# KiCad board motordecoder2-K3057.kicad_pcb (continued)
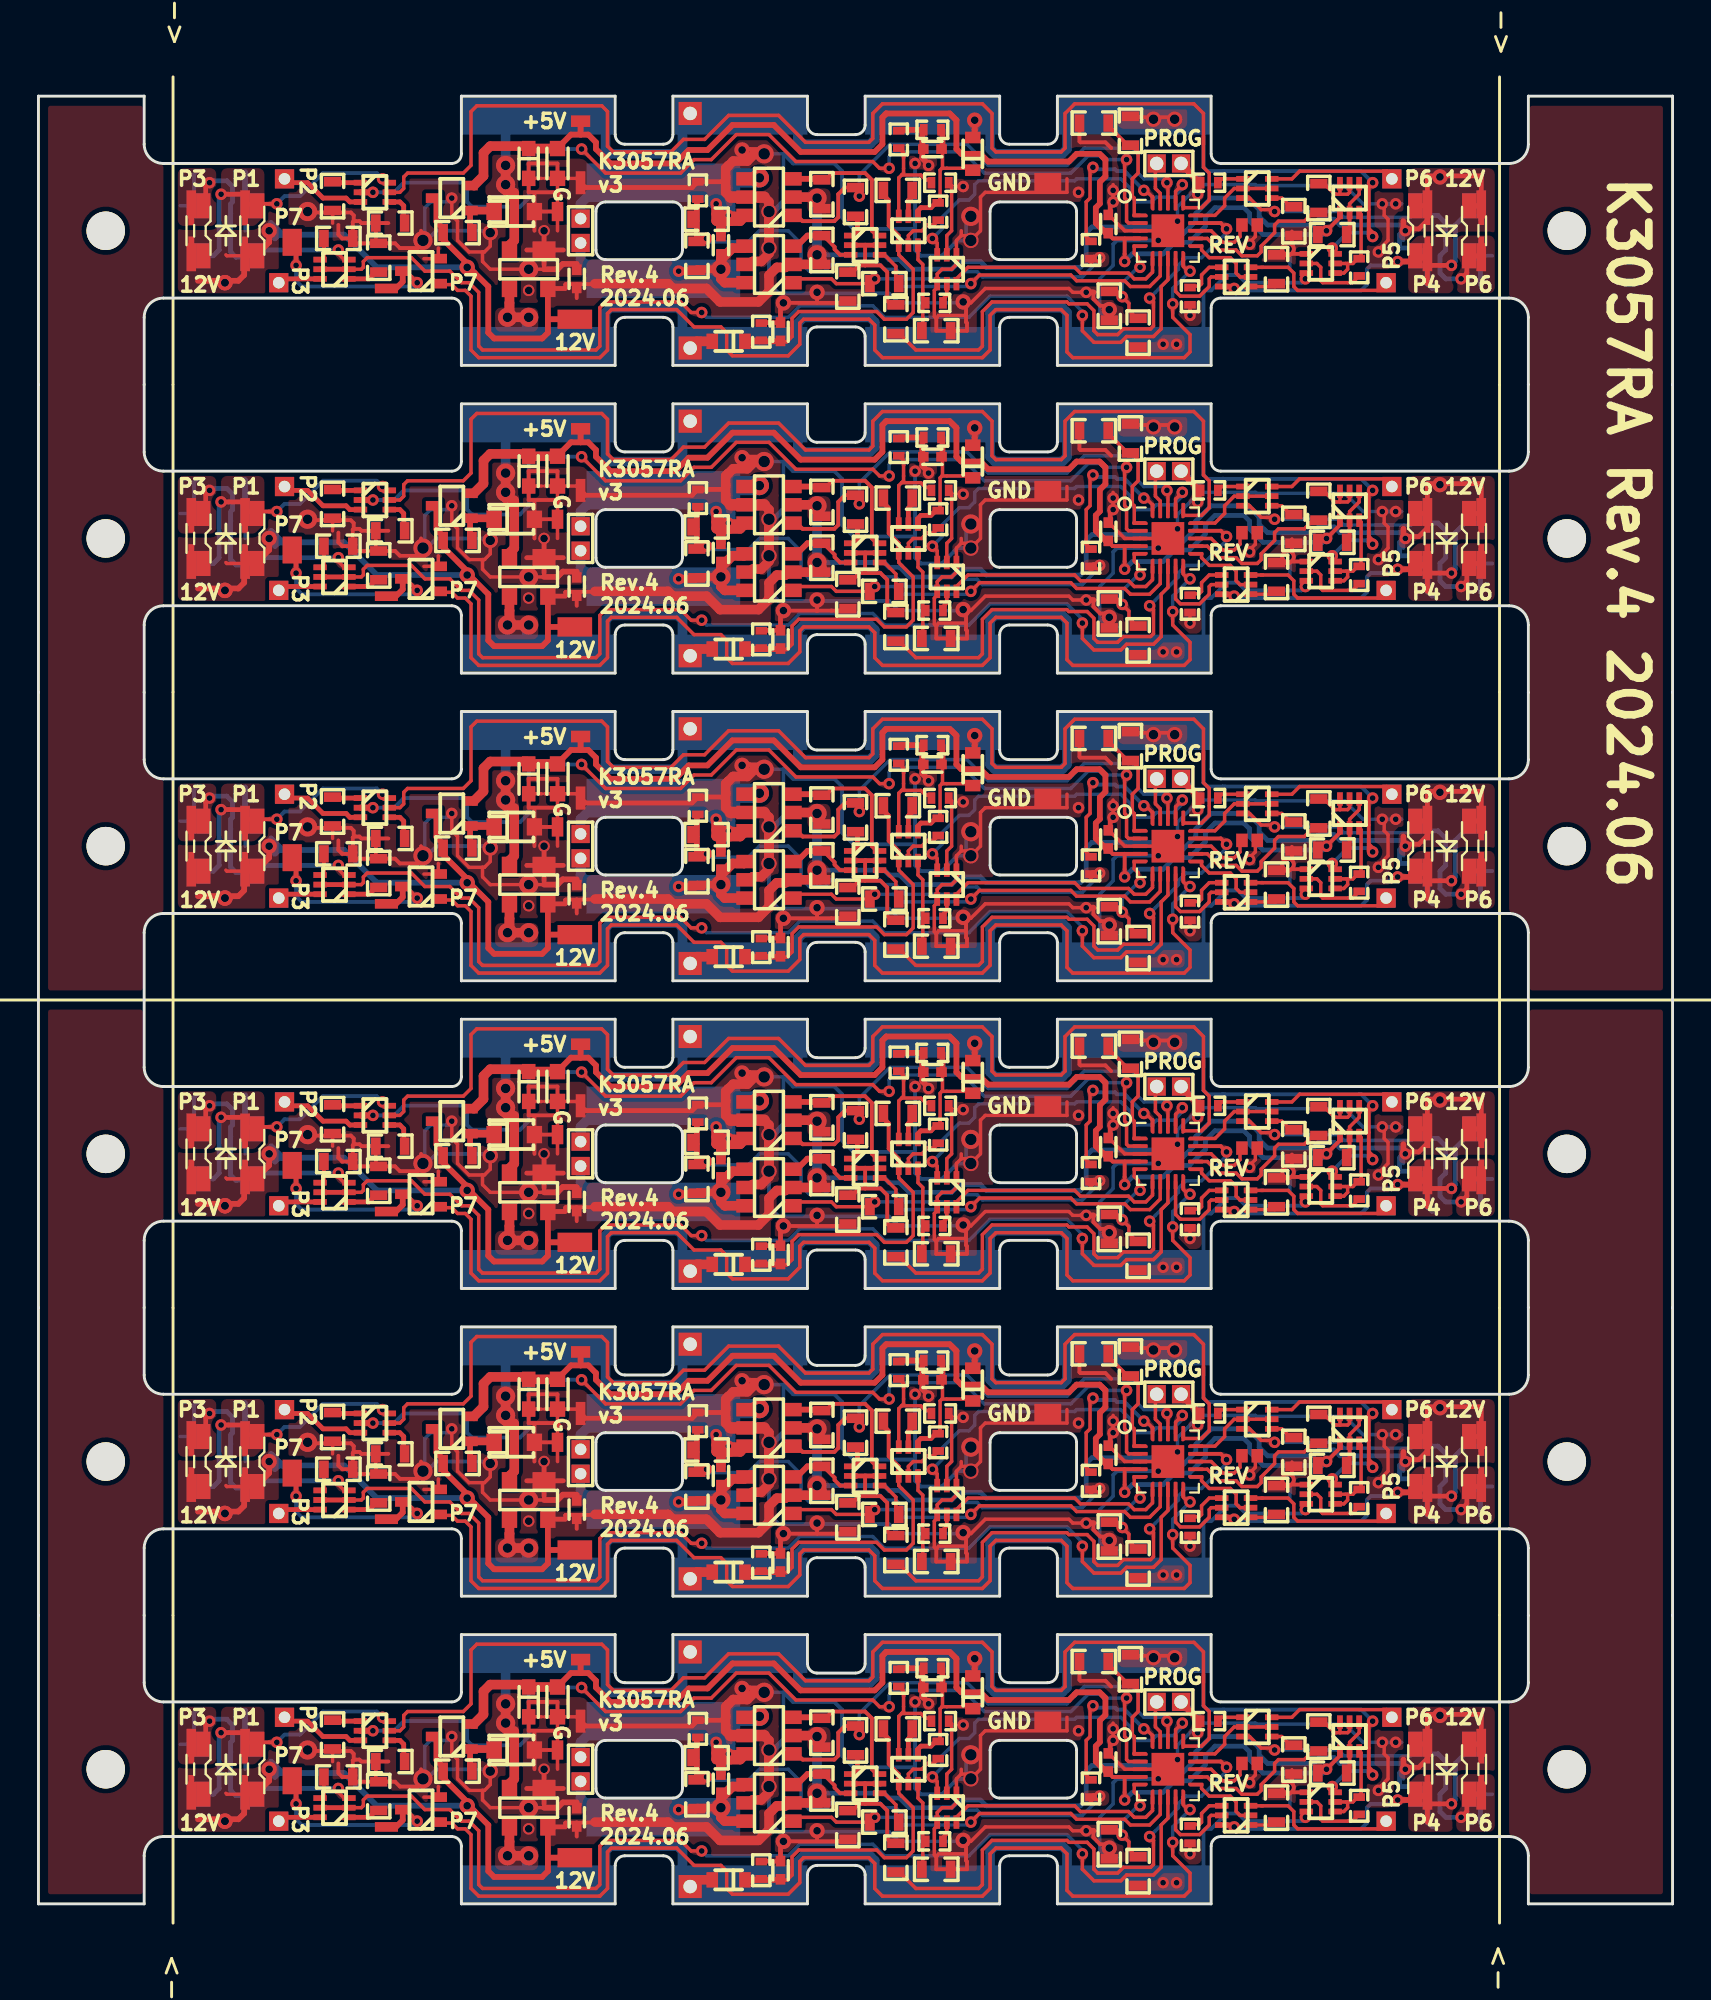
[diagram p0: board, top side]
## Routing (per net, layer and track width the routed paths; a pad name or vN(x,y) marks a point on that pad's centre or on a via; arc(x,y) is an arc through that point) (continued)
  Bottom w0.2: v1(28.25,91.25) 25.85,91.25 25.5,90.9 25.5,88.7 25.05,88.25 22.55,88.25 22.3,88.5 22.3,89.3 22.1,89.5 19,89.5 18.5,89 v1(17.4,89) ; v1(17.4,57) 18.5,57 19,57.5 22.1,57.5 22.3,57.3 22.3,56.5 22.55,56.25 25.05,56.25 25.5,56.7 25.5,58.9 25.85,59.25 v1(28.25,59.25) ; v1(17.4,9) 18.5,9 19,9.5 22.1,9.5 22.3,9.3 22.3,8.5 22.55,8.25 25.05,8.25 25.5,8.7 25.5,10.9 25.85,11.25 v1(28.25,11.25) ; v1(28.25,75.25) 25.85,75.25 25.5,74.9 25.5,72.7 25.05,72.25 22.55,72.25 22.3,72.5 22.3,73.3 22.1,73.5 19,73.5 18.5,73 v1(17.4,73) ; v1(17.4,25) 18.5,25 19,25.5 22.1,25.5 22.3,25.3 22.3,24.5 22.55,24.25 25.05,24.25 25.5,24.7 25.5,26.9 25.85,27.25 v1(28.25,27.25) ; v1(17.4,41) 18.5,41 19,41.5 22.1,41.5 22.3,41.3 22.3,40.5 22.55,40.25 25.05,40.25 25.5,40.7 25.5,42.9 25.85,43.25 v1(28.25,43.25)
Func2: length 374.2
  Top w0.18: U7.16 59.55,8.25 59.6,8.2 60.5,8.2 60.9,8.6 60.9,10 60.6,10.3 60.6,11.9 ; 60.6,91.9 60.6,90.3 60.9,90 60.9,88.6 60.5,88.2 59.6,88.2 59.55,88.25 U2.16 ; Q72.5 18.8,9 19,9.2 19,9.8 19.2,10 22.1,10 22.5,10.4 22.5,13.2 22.8,13.5 29.3,13.5 29.6,13.2 29.6,11.4 29.9,11.1 32.9,11.1 33.55,11.75 34.65,11.75 35.9,13 38.5,13 39.9,11.6 43.2,11.6 43.4,11.8 43.4,13.1 43.9,13.6 49.1,13.6 49.6,13.1 49.6,11.3 49.8,11.1 53.2,11.1 53.4,11.3 53.4,13.1 53.9,13.6 60.1,13.6 60.6,13.1 60.6,11.5 ; 60.6,59.9 60.6,58.3 60.9,58 60.9,56.6 60.5,56.2 59.6,56.2 59.55,56.25 U4.16 ; U3.16 59.55,72.25 59.6,72.2 60.5,72.2 60.9,72.6 60.9,74 60.6,74.3 60.6,75.9 ; U6.16 59.55,24.25 59.6,24.2 60.5,24.2 60.9,24.6 60.9,26 60.6,26.3 60.6,27.9 ; Q46.5 18.8,41 19,41.2 19,41.8 19.2,42 22.1,42 22.5,42.4 22.5,45.2 22.8,45.5 29.3,45.5 29.6,45.2 29.6,43.4 29.9,43.1 32.9,43.1 33.55,43.75 34.65,43.75 35.9,45 38.5,45 39.9,43.6 43.2,43.6 43.4,43.8 43.4,45.1 43.9,45.6 49.1,45.6 49.6,45.1 49.6,43.3 49.8,43.1 53.2,43.1 53.4,43.3 53.4,45.1 53.9,45.6 60.1,45.6 60.6,45.1 60.6,43.5 ; Q18.5 18.8,73 19,73.2 19,73.8 19.2,74 22.1,74 22.5,74.4 22.5,77.2 22.8,77.5 29.3,77.5 29.6,77.2 29.6,75.4 29.9,75.1 32.9,75.1 33.55,75.75 34.65,75.75 35.9,77 38.5,77 39.9,75.6 43.2,75.6 43.4,75.8 43.4,77.1 43.9,77.6 49.1,77.6 49.6,77.1 49.6,75.3 49.8,75.1 53.2,75.1 53.4,75.3 53.4,77.1 53.9,77.6 60.1,77.6 60.6,77.1 60.6,75.5 ; Q11.5 18.8,89 19,89.2 19,89.8 19.2,90 22.1,90 22.5,90.4 22.5,93.2 22.8,93.5 29.3,93.5 29.6,93.2 29.6,91.4 29.9,91.1 32.9,91.1 33.55,91.75 34.65,91.75 35.9,93 38.5,93 39.9,91.6 43.2,91.6 43.4,91.8 43.4,93.1 43.9,93.6 49.1,93.6 49.6,93.1 49.6,91.3 49.8,91.1 53.2,91.1 53.4,91.3 53.4,93.1 53.9,93.6 60.1,93.6 60.6,93.1 60.6,91.5 ; Q33.5 18.8,57 19,57.2 19,57.8 19.2,58 22.1,58 22.5,58.4 22.5,61.2 22.8,61.5 29.3,61.5 29.6,61.2 29.6,59.4 29.9,59.1 32.9,59.1 33.55,59.75 34.65,59.75 35.9,61 38.5,61 39.9,59.6 43.2,59.6 43.4,59.8 43.4,61.1 43.9,61.6 49.1,61.6 49.6,61.1 49.6,59.3 49.8,59.1 53.2,59.1 53.4,59.3 53.4,61.1 53.9,61.6 60.1,61.6 60.6,61.1 60.6,59.5 ; 60.6,43.9 60.6,42.3 60.9,42 60.9,40.6 60.5,40.2 59.6,40.2 59.55,40.25 U5.16 ; Q59.5 18.8,25 19,25.2 19,25.8 19.2,26 22.1,26 22.5,26.4 22.5,29.2 22.8,29.5 29.3,29.5 29.6,29.2 29.6,27.4 29.9,27.1 32.9,27.1 33.55,27.75 34.65,27.75 35.9,29 38.5,29 39.9,27.6 43.2,27.6 43.4,27.8 43.4,29.1 43.9,29.6 49.1,29.6 49.6,29.1 49.6,27.3 49.8,27.1 53.2,27.1 53.4,27.3 53.4,29.1 53.9,29.6 60.1,29.6 60.6,29.1 60.6,27.5
Func3: length 341.8
  Top w0.18: Q13.2 16.8,85 16.9,85.1 16.9,85.4 17.1,85.6 19.4,85.6 20.1,84.9 21.4,84.9 22,84.3 22.4,84.3 22.9,83.8 22.9,81 23.1,80.8 29,80.8 29.2,81 29.2,83 29.5,83.3 33.4,83.3 33.95,82.75 v1(34.5,82.75) ; 54.2,2.5 v1(54.3,2.6) 54.3,1.8 54.9,1.2 56.3,1.2 56.6,1.5 58,1.5 58.4,1.9 58.4,4.1 58.75,4.45 U7.8 ; Q48.2 16.8,37 16.9,37.1 16.9,37.4 17.1,37.6 19.4,37.6 20.1,36.9 21.4,36.9 22,36.3 22.4,36.3 22.9,35.8 22.9,33 23.1,32.8 29,32.8 29.2,33 29.2,35 29.5,35.3 33.4,35.3 33.95,34.75 v1(34.5,34.75) ; 54.2,34.5 v1(54.3,34.6) 54.3,33.8 54.9,33.2 56.3,33.2 56.6,33.5 58,33.5 58.4,33.9 58.4,36.1 58.75,36.45 U5.8 ; v1(34.5,50.75) 33.95,50.75 33.4,51.3 29.5,51.3 29.2,51 29.2,49 29,48.8 23.1,48.8 22.9,49 22.9,51.8 22.4,52.3 22,52.3 21.4,52.9 20.1,52.9 19.4,53.6 17.1,53.6 16.9,53.4 16.9,53.1 16.8,53 Q35.2 ; 54.2,66.5 v1(54.3,66.6) 54.3,65.8 54.9,65.2 56.3,65.2 56.6,65.5 58,65.5 58.4,65.9 58.4,68.1 58.75,68.45 U3.8 ; v1(34.5,66.75) 33.95,66.75 33.4,67.3 29.5,67.3 29.2,67 29.2,65 29,64.8 23.1,64.8 22.9,65 22.9,67.8 22.4,68.3 22,68.3 21.4,68.9 20.1,68.9 19.4,69.6 17.1,69.6 16.9,69.4 16.9,69.1 16.8,69 Q20.2 ; Q61.2 16.8,21 16.9,21.1 16.9,21.4 17.1,21.6 19.4,21.6 20.1,20.9 21.4,20.9 22,20.3 22.4,20.3 22.9,19.8 22.9,17 23.1,16.8 29,16.8 29.2,17 29.2,19 29.5,19.3 33.4,19.3 33.95,18.75 v1(34.5,18.75) ; v1(34.5,2.75) 33.95,2.75 33.4,3.3 29.5,3.3 29.2,3 29.2,1 29,0.8 23.1,0.8 22.9,1 22.9,3.8 22.4,4.3 22,4.3 21.4,4.9 20.1,4.9 19.4,5.6 17.1,5.6 16.9,5.4 16.9,5.1 16.8,5 Q74.2 ; U4.8 58.75,52.45 58.4,52.1 58.4,49.9 58,49.5 56.6,49.5 56.3,49.2 54.9,49.2 54.3,49.8 v1(54.3,50.6) 54.2,50.5 ; U6.8 58.75,20.45 58.4,20.1 58.4,17.9 58,17.5 56.6,17.5 56.3,17.2 54.9,17.2 54.3,17.8 v1(54.3,18.6) 54.2,18.5 ; U2.8 58.75,84.45 58.4,84.1 58.4,81.9 58,81.5 56.6,81.5 56.3,81.2 54.9,81.2 54.3,81.8 v1(54.3,82.6) 54.2,82.5
  Top w0.25: Q20.5 Q20.2 ; Q48.5 Q48.2 ; Q74.5 Q74.2 ; Q35.5 Q35.2 ; Q13.5 Q13.2 ; Q61.5 Q61.2
  Bottom w0.18: v1(34.5,34.75) 34.75,34.5 39,34.5 39.6,35.1 43.4,35.1 44,34.5 48.4,34.5 49.5,35.6 53.5,35.6 54.35,34.75 ; 54.35,18.75 53.5,19.6 49.5,19.6 48.4,18.5 44,18.5 43.4,19.1 39.6,19.1 39,18.5 34.75,18.5 v1(34.5,18.75) ; 54.35,82.75 53.5,83.6 49.5,83.6 48.4,82.5 44,82.5 43.4,83.1 39.6,83.1 39,82.5 34.75,82.5 v1(34.5,82.75) ; v1(34.5,66.75) 34.75,66.5 39,66.5 39.6,67.1 43.4,67.1 44,66.5 48.4,66.5 49.5,67.6 53.5,67.6 54.35,66.75 ; v1(34.5,2.75) 34.75,2.5 39,2.5 39.6,3.1 43.4,3.1 44,2.5 48.4,2.5 49.5,3.6 53.5,3.6 54.35,2.75 ; v1(34.5,50.75) 34.75,50.5 39,50.5 39.6,51.1 43.4,51.1 44,50.5 48.4,50.5 49.5,51.6 53.5,51.6 54.35,50.75
Func4: length 21.7
  Top w0.18: 60.5,70.2 60.5,70 60.9,69.6 62,69.6 62.3,69.3 62.3,68.8 62.5,68.6 Q19.2 ; 60.5,22.2 60.5,22 60.9,21.6 62,21.6 62.3,21.3 62.3,20.8 62.5,20.6 Q60.2 ; Q73.2 62.5,4.6 62.3,4.8 62.3,5.3 62,5.6 60.9,5.6 60.5,6 60.5,6.2 ; 60.5,38.2 60.5,38 60.9,37.6 62,37.6 62.3,37.3 62.3,36.8 62.5,36.6 Q47.2 ; 60.5,86.2 60.5,86 60.9,85.6 62,85.6 62.3,85.3 62.3,84.8 62.5,84.6 Q12.2 ; Q34.2 62.5,52.6 62.3,52.8 62.3,53.3 62,53.6 60.9,53.6 60.5,54 60.5,54.2
Func5: length 29.1
  Top w0.18: Q19.5 61,68.6 60.9,68.5 60.9,68.1 60.4,67.6 59.4,67.6 59.15,67.85 U3.9 ; U5.9 59.15,35.85 59.4,35.6 60.4,35.6 60.9,36.1 60.9,36.5 61,36.6 Q47.5 ; U7.9 59.15,3.85 59.4,3.6 60.4,3.6 60.9,4.1 60.9,4.5 61,4.6 Q73.5 ; Q12.5 61,84.6 60.9,84.5 60.9,84.1 60.4,83.6 59.4,83.6 59.15,83.85 U2.9 ; U6.9 59.15,19.85 59.4,19.6 60.4,19.6 60.9,20.1 60.9,20.5 61,20.6 Q60.5 ; Q34.5 61,52.6 60.9,52.5 60.9,52.1 60.4,51.6 59.4,51.6 59.15,51.85 U4.9
Func6: length 28.6
  Top w0.18: U2.15 61.2,87.8 61.7,88.3 61.7,88.7 62.2,89.2 Q14.2 Q14.5 ; Q62.5 Q62.2 62.2,25.2 61.7,24.7 61.7,24.3 61.2,23.8 U6.15 ; U7.15 61.2,7.8 61.7,8.3 61.7,8.7 62.2,9.2 Q75.2 Q75.5 ; Q36.5 Q36.2 62.2,57.2 61.7,56.7 61.7,56.3 61.2,55.8 U4.15 ; Q23.5 Q23.2 62.2,73.2 61.7,72.7 61.7,72.3 61.2,71.8 U3.15 ; U5.15 61.2,39.8 61.7,40.3 61.7,40.7 62.2,41.2 Q49.2 Q49.5
Func7: length 359.6
  Top w0.18: v1(59.9,20.9) 59.8,20.9 59.55,21.15 U6.10 ; v1(59,51.2) 59,50.5 59.9,49.6 59.9,48.7 59.6,48.4 53.8,48.4 53.5,48.7 53.5,50.6 53.2,50.9 49.8,50.9 49.5,50.6 49.5,48.8 49.1,48.4 43.9,48.4 43.5,48.8 43.5,50.1 43.2,50.4 39.8,50.4 39.6,50.2 39.6,49.1 39,48.5 36.1,48.5 35.8,48.8 35.8,49.7 35.5,50 34.1,50 33.2,50.9 29.8,50.9 29.6,50.7 29.6,48.8 29.2,48.4 22.9,48.4 22.5,48.8 22.5,51.6 22.2,51.9 21.8,51.9 21.5,52.2 20.6,52.2 ; 59.55,21.25 U6.10 ; U6.10 59.55,21.35 ; 59.55,85.25 U2.10 ; U2.10 59.55,85.15 59.8,84.9 v1(59.9,84.9) ; U2.10 59.55,85.35 ; U4.10 59.55,53.15 59.8,52.9 v1(59.9,52.9) ; U4.10 59.55,53.25 ; U4.10 59.55,53.35 ; v1(59,35.2) 59,34.5 59.9,33.6 59.9,32.7 59.6,32.4 53.8,32.4 53.5,32.7 53.5,34.6 53.2,34.9 49.8,34.9 49.5,34.6 49.5,32.8 49.1,32.4 43.9,32.4 43.5,32.8 43.5,34.1 43.2,34.4 39.8,34.4 39.6,34.2 39.6,33.1 39,32.5 36.1,32.5 35.8,32.8 35.8,33.7 35.5,34 34.1,34 33.2,34.9 29.8,34.9 29.6,34.7 29.6,32.8 29.2,32.4 22.9,32.4 22.5,32.8 22.5,35.6 22.2,35.9 21.8,35.9 21.5,36.2 20.6,36.2 ; 20.9,52.2 Q37.1 ; 20.6,4.2 21.5,4.2 21.8,3.9 22.2,3.9 22.5,3.6 22.5,0.8 22.9,0.4 29.2,0.4 29.6,0.8 29.6,2.7 29.8,2.9 33.2,2.9 34.1,2 35.5,2 35.8,1.7 35.8,0.8 36.1,0.5 39,0.5 39.6,1.1 39.6,2.2 39.8,2.4 43.2,2.4 43.5,2.1 43.5,0.8 43.9,0.4 49.1,0.4 49.5,0.8 49.5,2.6 49.8,2.9 53.2,2.9 53.5,2.6 53.5,0.7 53.8,0.4 59.6,0.4 59.9,0.7 59.9,1.6 59,2.5 v1(59,3.2) ; 59.55,37.25 U5.10 ; U5.10 59.55,37.35 ; U5.10 59.55,37.15 59.8,36.9 v1(59.9,36.9) ; v1(59.9,68.9) 59.8,68.9 59.55,69.15 U3.10 ; v1(59.9,4.9) 59.8,4.9 59.55,5.15 U7.10 ; 20.9,36.2 Q50.1 ; 59.55,5.25 U7.10 ; U7.10 59.55,5.35 ; 20.9,4.2 Q76.1 ; 20.9,68.2 Q24.1 ; 20.6,20.2 21.5,20.2 21.8,19.9 22.2,19.9 22.5,19.6 22.5,16.8 22.9,16.4 29.2,16.4 29.6,16.8 29.6,18.7 29.8,18.9 33.2,18.9 34.1,18 35.5,18 35.8,17.7 35.8,16.8 36.1,16.5 39,16.5 39.6,17.1 39.6,18.2 39.8,18.4 43.2,18.4 43.5,18.1 43.5,16.8 43.9,16.4 49.1,16.4 49.5,16.8 49.5,18.6 49.8,18.9 53.2,18.9 53.5,18.6 53.5,16.7 53.8,16.4 59.6,16.4 59.9,16.7 59.9,17.6 59,18.5 v1(59,19.2) ; 20.9,84.2 Q15.1 ; 20.9,20.2 Q63.1 ; U3.10 59.55,69.25 ; U3.10 59.55,69.35 ; v1(59,67.2) 59,66.5 59.9,65.6 59.9,64.7 59.6,64.4 53.8,64.4 53.5,64.7 53.5,66.6 53.2,66.9 49.8,66.9 49.5,66.6 49.5,64.8 49.1,64.4 43.9,64.4 43.5,64.8 43.5,66.1 43.2,66.4 39.8,66.4 39.6,66.2 39.6,65.1 39,64.5 36.1,64.5 35.8,64.8 35.8,65.7 35.5,66 34.1,66 33.2,66.9 29.8,66.9 29.6,66.7 29.6,64.8 29.2,64.4 22.9,64.4 22.5,64.8 22.5,67.6 22.2,67.9 21.8,67.9 21.5,68.2 20.6,68.2 ; 20.6,84.2 21.5,84.2 21.8,83.9 22.2,83.9 22.5,83.6 22.5,80.8 22.9,80.4 29.2,80.4 29.6,80.8 29.6,82.7 29.8,82.9 33.2,82.9 34.1,82 35.5,82 35.8,81.7 35.8,80.8 36.1,80.5 39,80.5 39.6,81.1 39.6,82.2 39.8,82.4 43.2,82.4 43.5,82.1 43.5,80.8 43.9,80.4 49.1,80.4 49.5,80.8 49.5,82.6 49.8,82.9 53.2,82.9 53.5,82.6 53.5,80.7 53.8,80.4 59.6,80.4 59.9,80.7 59.9,81.6 59,82.5 v1(59,83.2)
  Bottom w0.18: v1(59.9,4.9) 59,4 v1(59,3.2) ; v1(59.9,68.9) 59,68 v1(59,67.2) ; v1(59.9,52.9) 59,52 v1(59,51.2) ; v1(59.9,20.9) 59,20 v1(59,19.2) ; v1(59.9,36.9) 59,36 v1(59,35.2) ; v1(59,83.2) 59,84 v1(59.9,84.9)
FWD: length 124.8
  Top w0.18: U5.7 58.35,36.65 57.8,36.1 56.8,36.1 56.5,36.4 54,36.4 53.7,36.7 48.95,36.7 v1(48.5,36.25) ; Q2.1 39.4,84.5 41.25,84.5 41.5,84.25 43.18,84.25 ; U4.7 58.35,52.65 57.8,52.1 56.8,52.1 56.5,52.4 54,52.4 53.7,52.7 48.95,52.7 v1(48.5,52.25) ; v1(48.5,4.25) 48.95,4.7 53.7,4.7 54,4.4 56.5,4.4 56.8,4.1 57.8,4.1 58.35,4.65 U7.7 ; v1(48.5,84.25) 48.95,84.7 53.7,84.7 54,84.4 56.5,84.4 56.8,84.1 57.8,84.1 58.35,84.65 U2.7 ; Q67.1 39.4,4.5 41.25,4.5 41.5,4.25 43.18,4.25 ; Q54.1 39.4,20.5 41.25,20.5 41.5,20.25 43.18,20.25 ; Q28.1 39.4,52.5 41.25,52.5 41.5,52.25 43.18,52.25 ; 43.18,36.25 41.5,36.25 41.25,36.5 39.4,36.5 Q41.1 ; v1(48.5,20.25) 48.95,20.7 53.7,20.7 54,20.4 56.5,20.4 56.8,20.1 57.8,20.1 58.35,20.65 U6.7 ; Q7.1 39.4,68.5 41.25,68.5 41.5,68.25 43.18,68.25 ; v1(48.5,68.25) 48.95,68.7 53.7,68.7 54,68.4 56.5,68.4 56.8,68.1 57.8,68.1 58.35,68.65 U3.7
  Bottom w0.18: v1(48.5,68.25) 48.35,68.1 44.9,68.1 44.5,68.5 v1(43.5,68.5) ; v1(43.5,84.5) 44.5,84.5 44.9,84.1 48.35,84.1 v1(48.5,84.25) ; v1(48.5,52.25) 48.35,52.1 44.9,52.1 44.5,52.5 v1(43.5,52.5) ; v1(48.5,36.25) 48.35,36.1 44.9,36.1 44.5,36.5 v1(43.5,36.5) ; v1(48.5,20.25) 48.35,20.1 44.9,20.1 44.5,20.5 v1(43.5,20.5) ; v1(43.5,4.5) 44.5,4.5 44.9,4.1 48.35,4.1 v1(48.5,4.25)
MOTOR+: length 158.3
  Top w0.3: Q66.6 36.75,7.85 35.75,7.85 ; 35.75,39.85 36.75,39.85 Q40.6 ; 35.75,39.85 35.25,39.85 ; 35.75,39.85 35.65,39.85 35.25,40.25 ; 35.75,23.85 36.75,23.85 Q53.6 ; 35.75,23.85 35.25,23.85 ; 35.75,23.85 35.65,23.85 35.25,24.25 ; 35.75,87.85 35.65,87.85 35.25,88.25 ; 35.75,87.85 35.25,87.85 ; 35.75,87.85 36.75,87.85 Q1.6 ; 35.25,71.85 35.75,71.85 ; 35.75,71.85 36.75,71.85 Q4.6 ; 35.75,71.85 35.65,71.85 35.25,72.25 ; 35.75,7.85 35.65,7.85 35.25,8.25 ; 35.75,7.85 35.25,7.85 ; 35.25,55.85 35.75,55.85 ; 35.75,55.85 36.75,55.85 Q27.6 ; 35.75,55.85 35.65,55.85 35.25,56.25
  Top w0.5: 35.5,39.5 36.5,39.5 Q40.6 ; 35.5,39.5 35.5,38.78 ; 35.5,39.5 35.28,39.5 35.25,39.53 35.25,40.25 ; 35.5,7.5 35.28,7.5 35.25,7.53 35.25,8.25 ; 35.5,7.5 36.5,7.5 Q66.6 ; 35.5,7.5 35.5,6.78 ; Q4.4 37.7,73.7 37.75,73.75 ; 35.25,88.25 35.25,87.53 35.28,87.5 35.5,87.5 ; 37.75,89.75 37.7,89.7 Q1.4 ; 35.25,72.25 35.25,71.53 35.28,71.5 35.5,71.5 ; 37.75,57.75 37.7,57.7 Q27.4 ; 35.5,71.5 35.5,70.78 ; 35.5,71.5 36.5,71.5 Q4.6 ; 35.25,56.25 35.25,55.53 35.28,55.5 35.5,55.5 ; 37.75,25.75 37.7,25.7 Q53.4 ; 35.5,54.78 35.5,55.5 ; 35.5,55.5 36.5,55.5 Q27.6 ; 35.5,22.78 35.5,23.5 ; 35.5,23.5 36.5,23.5 Q53.6 ; 35.5,23.5 35.28,23.5 35.25,23.53 35.25,24.25 ; Q66.4 37.7,9.7 37.75,9.75 ; 35.5,87.5 36.5,87.5 Q1.6 ; 35.5,87.5 35.5,86.78 ; Q40.4 37.7,41.7 37.75,41.75
  Bottom w0.5: 35.5,40.25 35.65,40.1 36,40.1 ; 35.5,40.25 35.5,40.75 34.75,41.5 ; 35.5,40.25 35.5,40 ; 28.2,71.73 28.2,72.41 29.29,73.5 P42.1 34.8,73.5 36,72.3 ; 36,72.1 35.65,72.1 35.5,72.25 ; 36,72.1 36,72.7 ; 36,72.1 36,71.7 35.8,71.7 35.25,72.25 ; 34.8,8.7 35.2,8.3 ; 36,88.3 34.8,89.5 P29.1 29.29,89.5 28.2,88.41 28.2,87.73 ; 34.8,88.7 35.2,88.3 ; 34.8,72.7 35.2,72.3 ; 28.2,39.73 28.2,40.41 29.29,41.5 P78.1 34.8,41.5 36,40.3 ; 35.5,56 35.5,56.25 ; 35.5,56.25 35.5,56.75 34.75,57.5 ; 35.5,56.25 35.65,56.1 36,56.1 ; 33.5,25.5 32.25,25.5 32.75,26 ; 35.25,24.25 35.8,23.7 36,23.7 36,24.1 ; 35.5,72.25 35.5,72.75 34.75,73.5 ; 35.5,72.25 35.5,72 ; 36,40.1 36,39.7 35.8,39.7 35.25,40.25 ; 36,40.1 36,40.7 ; 34.75,25.5 35.5,24.75 35.5,24.25 ; 35.5,8 35.5,8.25 ; 35.5,8.25 35.65,8.1 36,8.1 ; 35.5,8.25 35.5,8.75 34.75,9.5 ; 36,8.1 36,7.7 35.8,7.7 35.25,8.25 ; 36,8.1 36,8.7 ; 28.2,55.73 28.2,56.41 29.29,57.5 P59.1 34.8,57.5 36,56.3 ; 35.25,56.25 35.8,55.7 36,55.7 36,56.1 ; 33.5,57.5 32.25,57.5 32.75,58 ; 36,8.3 34.8,9.5 P116.1 29.29,9.5 28.2,8.41 28.2,7.73 ; 36,24.1 36,24.7 ; 36,24.1 35.65,24.1 35.5,24.25 ; 36,88.1 35.65,88.1 35.5,88.25 ; 36,88.1 36,87.7 35.8,87.7 35.25,88.25 ; 36,88.1 36,88.7 ; 35.5,88.25 35.5,88 ; 35.5,88.25 35.5,88.75 34.75,89.5 ; 28.2,23.73 28.2,24.41 29.29,25.5 P97.1 34.8,25.5 36,24.3 ; 34.8,56.7 35.2,56.3 ; 33.5,9.5 32.25,9.5 32.75,10 ; 32.75,90 32.25,89.5 33.5,89.5 ; 36,56.1 36,56.7 ; 35.5,24 35.5,24.25 ; 34.8,24.7 35.2,24.3 ; 32.75,74 32.25,73.5 33.5,73.5 ; 32.75,42 32.25,41.5 33.5,41.5 ; 34.8,40.7 35.2,40.3
  Bottom w1: v2(37.5,89.75) 33.75,89.75 ; v2(37.5,41.75) 33.75,41.75 ; v2(37.5,25.75) 33.75,25.75 ; v2(37.5,73.75) 33.75,73.75 ; v2(37.5,57.75) 33.75,57.75 ; v2(37.5,9.75) 33.75,9.75
  vias: v1(35.25,88.4) v1(35.25,72.4) v1(35.25,56.4) v1(35.25,40.4) v1(35.25,24.4) v1(35.25,8.4) v1(35.89,87.8) v1(35.89,71.8) v1(35.89,55.8) v1(35.89,39.8) v1(35.89,23.8) v1(35.89,7.8)
MOTOR-: length 71.4
  Top w0.4: v1(33.3,84.9) 34.17,84.9 34.28,85 v2(35.5,85) ; v1(33.3,4.9) 34.17,4.9 34.28,5 v2(35.5,5) ; v1(33.3,52.9) 34.17,52.9 34.28,53 v2(35.5,53) ; v2(35.5,37) 34.28,37 34.17,36.9 v1(33.3,36.9) ; v1(33.3,68.9) 34.17,68.9 34.28,69 v2(35.5,69) ; v2(35.5,21) 34.28,21 34.17,20.9 v1(33.3,20.9)
  Top w0.5: Q28.6 35.7,52.3 35.5,52.5 v2(35.5,53) 35.5,53.5 36.1,54.1 36.7,54.1 Q28.4 ; Q67.6 35.7,4.3 35.5,4.5 v2(35.5,5) 35.5,5.5 36.1,6.1 36.7,6.1 Q67.4 ; Q54.6 35.7,20.3 35.5,20.5 v2(35.5,21) 35.5,21.5 36.1,22.1 36.7,22.1 Q54.4 ; Q2.6 35.7,84.3 35.5,84.5 v2(35.5,85) 35.5,85.5 36.1,86.1 36.7,86.1 Q2.4 ; Q41.6 35.7,36.3 35.5,36.5 v2(35.5,37) 35.5,37.5 36.1,38.1 36.7,38.1 Q41.4 ; Q7.4 36.7,70.1 36.1,70.1 35.5,69.5 v2(35.5,69) 35.5,68.5 35.7,68.3 Q7.6
  Bottom w0.5: 28.2,22.47 28.2,21.49 29.19,20.5 P98.1 ; P43.1 29.19,68.5 28.2,69.49 28.2,70.47 ; P31.1 29.19,84.5 28.2,85.49 28.2,86.47 ; 28.2,38.47 28.2,37.49 29.19,36.5 P79.1 ; 28.2,54.47 28.2,53.49 29.19,52.5 P60.1 ; 28.2,6.47 28.2,5.49 29.19,4.5 P117.1
PWM: length 158.9
  Top w0.18: v1(57.8,35.5) 58,35.3 58,34.05 57.85,33.9 56.43,33.9 56.13,33.6 55.1,33.6 54.9,33.8 54.9,34.85 54.55,35.2 53.6,35.2 53.5,35.3 49.6,35.3 49.1,34.8 49.1,33 48.9,32.8 45.64,32.8 44.76,33.67 44.6,33.67 ; v1(57.8,51.5) 58,51.3 58,50.05 57.85,49.9 56.43,49.9 56.13,49.6 55.1,49.6 54.9,49.8 54.9,50.85 54.55,51.2 53.6,51.2 53.5,51.3 49.6,51.3 49.1,50.8 49.1,49 48.9,48.8 45.64,48.8 44.76,49.67 44.6,49.67 ; 44.6,65.67 44.76,65.67 45.64,64.8 48.9,64.8 49.1,65 49.1,66.8 49.6,67.3 53.5,67.3 53.6,67.2 54.55,67.2 54.9,66.85 54.9,65.8 55.1,65.6 56.13,65.6 56.43,65.9 57.85,65.9 58,66.05 58,67.3 v1(57.8,67.5) ; v1(57.8,19.5) 58,19.3 58,18.05 57.85,17.9 56.43,17.9 56.13,17.6 55.1,17.6 54.9,17.8 54.9,18.85 54.55,19.2 53.6,19.2 53.5,19.3 49.6,19.3 49.1,18.8 49.1,17 48.9,16.8 45.64,16.8 44.76,17.67 44.6,17.67 ; 44.6,1.67 44.76,1.67 45.64,0.8 48.9,0.8 49.1,1 49.1,2.8 49.6,3.3 53.5,3.3 53.6,3.2 54.55,3.2 54.9,2.85 54.9,1.8 55.1,1.6 56.13,1.6 56.43,1.9 57.85,1.9 58,2.05 58,3.3 v1(57.8,3.5) ; v1(57.8,83.5) 58,83.3 58,82.05 57.85,81.9 56.43,81.9 56.13,81.6 55.1,81.6 54.9,81.8 54.9,82.85 54.55,83.2 53.6,83.2 53.5,83.3 49.6,83.3 49.1,82.8 49.1,81 48.9,80.8 45.64,80.8 44.76,81.67 44.6,81.67
  Top w0.2: 61.9,7 61.5,7.4 U7.14 ; U5.14 61.5,39.4 61.9,39 ; 61.9,55 61.5,55.4 U4.14 ; U2.14 61.5,87.4 61.9,87 ; U6.14 61.5,23.4 61.9,23 ; U3.14 61.5,71.4 61.9,71
  Bottom w0.18: v1(61.8,55.1) 61.7,55 61.7,54.8 60.5,53.6 59.69,53.6 59.3,53.21 59.3,53 v1(57.8,51.5) ; v1(61.8,39.1) 61.7,39 61.7,38.8 60.5,37.6 59.69,37.6 59.3,37.21 59.3,37 v1(57.8,35.5) ; v1(61.8,87.1) 61.7,87 61.7,86.8 60.5,85.6 59.69,85.6 59.3,85.21 59.3,85 v1(57.8,83.5) ; v1(61.8,71.1) 61.7,71 61.7,70.8 60.5,69.6 59.69,69.6 59.3,69.21 59.3,69 v1(57.8,67.5) ; v1(61.8,7.1) 61.7,7 61.7,6.8 60.5,5.6 59.69,5.6 59.3,5.21 59.3,5 v1(57.8,3.5) ; v1(61.8,23.1) 61.7,23 61.7,22.8 60.5,21.6 59.69,21.6 59.3,21.21 59.3,21 v1(57.8,19.5)
RAIL+: length 436.4
  Top w0.2: 59.1,60.9 56.85,60.9 R69.1 ; R137.1 56.85,28.9 59.1,28.9 ; 69.2,39.1 69.4,38.9 ; 69.2,38.7 69.2,41.3 v1(69.4,41.5) ; 69.2,23.1 69.4,22.9 ; 67.15,86.1 Q8.6 ; 67.15,6.1 Q71.6 ; 69.2,6.7 69.2,9.3 v1(69.4,9.5) ; 69.2,87.1 69.4,86.9 ; 69.4,89.4 69.5,89.5 ; 67.15,38.1 Q45.6 ; 69.4,25.4 69.5,25.5 ; 67.15,70.1 Q17.6 ; 59.1,76.9 56.85,76.9 R19.1 ; 69.2,86.7 69.2,89.3 v1(69.4,89.5) ; 69.4,41.4 69.5,41.5 ; 67.15,22.1 Q58.6 ; v1(69.4,57.5) 69.2,57.3 69.2,54.7 ; R103.1 56.85,44.9 59.1,44.9 ; 69.4,57.4 69.5,57.5 ; 69.2,71.1 69.4,70.9 ; 67.15,54.1 Q32.6 ; 59.1,92.9 56.85,92.9 R1.1 ; R171.1 56.85,12.9 59.1,12.9 ; 69.4,73.4 69.5,73.5 ; 69.4,9.4 69.5,9.5 ; v1(69.4,25.5) 69.2,25.3 69.2,22.7 ; 69.2,55.1 69.4,54.9 ; 69.2,70.7 69.2,73.3 v1(69.4,73.5) ; 69.2,7.1 69.4,6.9
  Top w0.3: v4(48.7,44.75) 48.7,43.85 ; 48.7,91.85 v4(48.7,92.75) ; v4(48.7,28.75) 48.7,27.85 ; 48.7,11.85 v4(48.7,12.75) ; v4(48.7,60.75) 48.7,59.85 ; v4(48.7,76.75) 48.7,75.85
  Top w0.5: v2(24.3,26.4) 24.3,25.1 24.75,24.65 ; 24.75,24.65 24.75,22.5 24.5,22.25 D9.2 ; 24.75,24.65 24.75,24.99 ; 24.75,88.65 24.3,89.1 v2(24.3,90.4) ; 24.75,88.65 24.75,86.5 24.5,86.25 D1.2 ; 24.75,88.65 24.75,88.99 ; 24.75,72.65 24.75,72.99 ; 24.75,72.65 24.3,73.1 v2(24.3,74.4) ; 24.75,72.65 24.75,70.5 24.5,70.25 D2.2 ; D5.2 24.5,54.25 24.75,54.5 24.75,56.65 ; 24.75,56.65 24.75,56.99 ; 24.75,56.65 24.3,57.1 v2(24.3,58.4) ; 24.75,8.65 24.3,9.1 v2(24.3,10.4) ; 24.75,8.65 24.75,6.5 24.5,6.25 D61.2 ; 24.75,8.65 24.75,8.99 ; 24.75,40.65 24.3,41.1 v2(24.3,42.4) ; 24.75,40.65 24.75,40.99 ; 24.75,40.65 24.75,38.5 24.5,38.25 D7.2
  Bottom w0.2: 61.6,58.1 61.7,58.1 ; 61.6,58.1 68.8,58.1 v1(69.4,57.5) ; 61.6,58.1 60.8,58.1 60.6,58.3 60.6,60.75 ; v1(69.4,25.5) 68.8,26.1 61.6,26.1 ; v1(67.3,38.1) 68.1,38.9 69.4,38.9 ; 69.4,86.9 68.1,86.9 v1(67.3,86.1) ; 61.6,26.1 60.8,26.1 60.6,26.3 60.6,28.75 ; 61.6,26.1 61.7,26.1 ; 60.6,12.75 60.6,10.3 60.8,10.1 61.6,10.1 ; 61.6,10.1 68.8,10.1 v1(69.4,9.5) ; 61.6,10.1 61.7,10.1 ; 60.6,92.75 60.6,90.3 60.8,90.1 61.6,90.1 ; 69.4,70.9 68.1,70.9 v1(67.3,70.1) ; 60.6,76.75 60.6,74.3 60.8,74.1 61.6,74.1 ; 61.6,90.1 61.7,90.1 ; 61.6,90.1 68.8,90.1 v1(69.4,89.5) ; 69.1,70.9 69.3,70.7 ; 61.6,74.1 68.8,74.1 v1(69.4,73.5) ; 61.6,74.1 61.7,74.1 ; 61.6,42.1 60.8,42.1 60.6,42.3 60.6,44.75 ; 61.6,42.1 61.7,42.1 ; 61.6,42.1 68.8,42.1 v1(69.4,41.5) ; 69.1,54.9 69.3,54.7 ; 69.1,22.9 69.3,22.7 ; v1(67.3,22.1) 68.1,22.9 69.4,22.9 ; 69.1,6.9 69.3,6.7 ; v1(67.3,6.1) 68.1,6.9 69.4,6.9 ; 69.1,38.9 69.3,38.7 ; 69.1,86.9 69.3,86.7 ; 69.4,54.9 68.1,54.9 v1(67.3,54.1)
  Bottom w0.5: P52.1 34,61 33.5,60.5 33.5,59.25 33.25,59 29.75,59 29.5,59.25 29.5,60.5 29,61 P51.1 ; P52.1 36.4,61.1 P62.1 ; P52.1 35.25,61 ; P52.1 39,61 39.5,60.5 39.5,59.75 39.75,59.5 43.25,59.5 43.5,59.75 43.5,60.5 44,61 49,61 49.5,60.5 49.5,59.25 49.75,59 53.25,59 53.5,59.25 53.5,60.5 54,61 P54.1 ; P89.1 29,29 29.5,28.5 29.5,27.25 29.75,27 33.25,27 33.5,27.25 33.5,28.5 34,29 P90.1 ; P71.1 34,45 33.5,44.5 33.5,43.25 33.25,43 29.75,43 29.5,43.25 29.5,44.5 29,45 P70.1 ; P71.1 36.4,45.1 P81.1 ; P71.1 39,45 39.5,44.5 39.5,43.75 39.75,43.5 43.25,43.5 43.5,43.75 43.5,44.5 44,45 49,45 49.5,44.5 49.5,43.25 49.75,43 53.25,43 53.5,43.25 53.5,44.5 54,45 P73.1 ; P71.1 35.25,45 ; P37.1 54,77 53.5,76.5 53.5,75.25 53.25,75 49.75,75 49.5,75.25 49.5,76.5 49,77 44,77 43.5,76.5 43.5,75.75 43.25,75.5 39.75,75.5 39.5,75.75 39.5,76.5 39,77 P35.1 ; P90.1 36.4,29.1 P100.1 ; P90.1 35.25,29 ; P90.1 39,29 39.5,28.5 39.5,27.75 39.75,27.5 43.25,27.5 43.5,27.75 43.5,28.5 44,29 49,29 49.5,28.5 49.5,27.25 49.75,27 53.25,27 53.5,27.25 53.5,28.5 54,29 P92.1 ; P21.1 29,93 29.5,92.5 29.5,91.25 29.75,91 33.25,91 33.5,91.25 33.5,92.5 34,93 P22.1 ; P35.1 34,77 33.5,76.5 33.5,75.25 33.25,75 29.75,75 29.5,75.25 29.5,76.5 29,77 P30.1 ; P35.1 36.4,77.1 P45.1 ; P35.1 35.25,77 ; P108.1 29,13 29.5,12.5 29.5,11.25 29.75,11 33.25,11 33.5,11.25 33.5,12.5 34,13 P109.1 ; 24.3,57.5 24.3,60.6 ; P33.1 36.4,93.1 P22.1 ; P22.1 35.25,93 ; P22.1 39,93 39.5,92.5 39.5,91.75 39.75,91.5 43.25,91.5 43.5,91.75 43.5,92.5 44,93 49,93 49.5,92.5 49.5,91.25 49.75,91 53.25,91 53.5,91.25 53.5,92.5 54,93 P24.1 ; 24.3,92.6 24.3,89.5 ; 24.3,44.6 24.3,41.5 ; P109.1 39,13 39.5,12.5 39.5,11.75 39.75,11.5 43.25,11.5 43.5,11.75 43.5,12.5 44,13 49,13 49.5,12.5 49.5,11.25 49.75,11 53.25,11 53.5,11.25 53.5,12.5 54,13 P111.1 ; P109.1 35.25,13 ; P109.1 36.4,13.1 P119.1 ; 24.3,25.5 24.3,28.6 ; 24.3,12.6 24.3,9.5 ; 24.3,73.5 24.3,76.6
  vias: v1(69.4,86.7) v1(69.4,70.7) v1(69.4,54.7) v1(69.4,38.7) v1(69.4,22.7) v1(69.4,6.7) v2(24.3,89.4) v2(24.3,73.4) v2(24.3,57.4) v2(24.3,41.4) v2(24.3,25.4) v2(24.3,9.4) v3(58,92.8) v3(58,76.8) v3(58,60.8) v3(58,44.8) v3(58,28.8) v3(58,12.8) v3(59.1,92.8) v3(59.1,76.8) v3(59.1,60.8) v3(59.1,44.8) v3(59.1,28.8) v3(59.1,12.8)
RAIL-: length 348
  Top w0.2: Q58.3 65.8,20.65 65.8,20.5 ; 34.35,81.25 33.75,81.25 ; 65.8,4.5 65.8,4.65 Q71.3 ; Q45.3 65.8,36.65 65.8,36.5 ; 34.35,49.25 33.75,49.25 ; 65.8,84.5 65.8,84.65 Q8.3 ; Q32.3 65.8,52.65 65.8,52.5 ; 65.8,68.5 65.8,68.65 Q17.3 ; 34.35,17.25 33.75,17.25 ; 34.35,65.25 33.75,65.25 ; 34.35,1.25 33.75,1.25 ; 34.35,33.25 33.75,33.25
  Top w0.5: 24.5,18.8 24.5,19.25 ; 24.5,19.25 D9.3 ; 24.5,19.25 24.5,18.5 25.4,18.5 ; 24.5,67.25 24.5,66.5 25.4,66.5 ; 24.5,67.25 D2.3 ; 24.5,67.25 24.5,66.8 ; 24.5,83.25 24.5,82.5 25.4,82.5 ; 24.5,83.25 24.5,82.8 ; 24.5,83.25 D1.3 ; 24.5,3.25 D61.3 ; 24.5,3.25 24.5,2.5 25.4,2.5 ; 24.5,3.25 24.5,2.8 ; 24.5,50.8 24.5,51.25 ; 24.5,51.25 D5.3 ; 24.5,51.25 24.5,50.5 25.4,50.5 ; 34.9,81.25 34.25,81.25 P34.1 ; 24.5,35.25 24.5,34.5 25.4,34.5 ; 24.5,35.25 D7.3 ; 24.5,35.25 24.5,34.8 ; 34.9,17.25 34.25,17.25 P101.1 ; P46.1 34.25,65.25 34.9,65.25 ; P120.1 34.25,1.25 34.9,1.25 ; P82.1 34.25,33.25 34.9,33.25 ; P63.1 34.25,49.25 34.9,49.25
  Bottom w0.2: 60.6,33.1 60.6,35.8 60.7,35.9 61,35.9 61.8,36.7 62.4,36.7 62.8,36.3 65.7,36.3 v1(65.9,36.5) ; 60.6,17.1 60.6,19.8 60.7,19.9 61,19.9 61.8,20.7 62.4,20.7 62.8,20.3 65.7,20.3 v1(65.9,20.5) ; v1(65.9,4.5) 65.7,4.3 62.8,4.3 62.4,4.7 61.8,4.7 61,3.9 60.7,3.9 60.6,3.8 60.6,1.1 ; 60.6,81.1 60.6,83.8 60.7,83.9 61,83.9 61.8,84.7 62.4,84.7 62.8,84.3 65.7,84.3 v1(65.9,84.5) ; 60.6,49.1 60.6,51.8 60.7,51.9 61,51.9 61.8,52.7 62.4,52.7 62.8,52.3 65.7,52.3 v1(65.9,52.5) ; v1(65.9,68.5) 65.7,68.3 62.8,68.3 62.4,68.7 61.8,68.7 61,67.9 60.7,67.9 60.6,67.8 60.6,65.1
  Bottom w0.5: P120.1 36.4,0.9 P113.1 ; 25.4,34.5 25.4,33.6 P74.1 29,33 29.5,33.5 29.5,34.75 29.75,35 33.25,35 33.5,34.75 33.5,33.5 34,33 39.25,33 39.5,33.25 39.5,34.2 39.8,34.5 43.25,34.5 43.5,34.25 43.5,33.25 43.75,33 49,33 49.5,33.5 49.5,34.75 49.75,35 53.25,35 53.5,34.75 53.5,33.25 53.75,33 57.25,33 ; 57.25,1 53.75,1 53.5,1.25 53.5,2.75 53.25,3 49.75,3 49.5,2.75 49.5,1.5 49,1 43.75,1 43.5,1.25 43.5,2.25 43.25,2.5 39.8,2.5 39.5,2.2 39.5,1.25 39.25,1 34,1 33.5,1.5 33.5,2.75 33.25,3 29.75,3 29.5,2.75 29.5,1.5 29,1 P112.1 25.4,1.6 25.4,2.5 ; 25.4,18.5 25.4,17.6 P93.1 29,17 29.5,17.5 29.5,18.75 29.75,19 33.25,19 33.5,18.75 33.5,17.5 34,17 39.25,17 39.5,17.25 39.5,18.2 39.8,18.5 43.25,18.5 43.5,18.25 43.5,17.25 43.75,17 49,17 49.5,17.5 49.5,18.75 49.75,19 53.25,19 53.5,18.75 53.5,17.25 53.75,17 57.25,17 ; P46.1 36.4,64.9 P39.1 ; P34.1 36.4,80.9 P26.1 ; 57.25,65 53.75,65 53.5,65.25 53.5,66.75 53.25,67 49.75,67 49.5,66.75 49.5,65.5 49,65 43.75,65 43.5,65.25 43.5,66.25 43.25,66.5 39.8,66.5 39.5,66.2 39.5,65.25 39.25,65 34,65 33.5,65.5 33.5,66.75 33.25,67 29.75,67 29.5,66.75 29.5,65.5 29,65 P38.1 25.4,65.6 25.4,66.5 ; P82.1 36.4,32.9 P75.1 ; 25.4,82.5 25.4,81.6 P25.1 29,81 29.5,81.5 29.5,82.75 29.75,83 33.25,83 33.5,82.75 33.5,81.5 34,81 39.25,81 39.5,81.25 39.5,82.2 39.8,82.5 43.25,82.5 43.5,82.25 43.5,81.25 43.75,81 49,81 49.5,81.5 49.5,82.75 49.75,83 53.25,83 53.5,82.75 53.5,81.25 53.75,81 57.25,81 ; 57.25,49 53.75,49 53.5,49.25 53.5,50.75 53.25,51 49.75,51 49.5,50.75 49.5,49.5 49,49 43.75,49 43.5,49.25 43.5,50.25 43.25,50.5 39.8,50.5 39.5,50.2 39.5,49.25 39.25,49 34,49 33.5,49.5 33.5,50.75 33.25,51 29.75,51 29.5,50.75 29.5,49.5 29,49 P55.1 25.4,49.6 25.4,50.5 ; P94.1 36.4,16.9 P101.1 ; P63.1 36.4,48.9 P56.1
  vias: v1(58.5,81.1) v1(58.5,65.1) v1(58.5,49.1) v1(58.5,33.1) v1(58.5,17.1) v1(58.5,1.1) v1(59.2,81.1) v1(59.2,65.1) v1(59.2,49.1) v1(59.2,33.1) v1(59.2,17.1) v1(59.2,1.1) v2(24.4,82.5) v2(24.4,66.5) v2(24.4,50.5) v2(24.4,34.5) v2(24.4,18.5) v2(24.4,2.5) v2(25.5,82.5) v2(25.5,66.5) v2(25.5,50.5) v2(25.5,34.5) v2(25.5,18.5) v2(25.5,2.5)
